# Altium PCB ANTS-PCU-B1.PCBDOC (part 3 of 3)
Units mm, origin at the board's own origin, x right, y up, seen from the top; angles counter-clockwise.
Board outline 195.05 x 85.05 mm, 2 copper layers (TopLayer, BottomLayer); 203 components, 155 nets, 881 pads, 326 vias.
Unrouted connection lines stored in the file: 2.
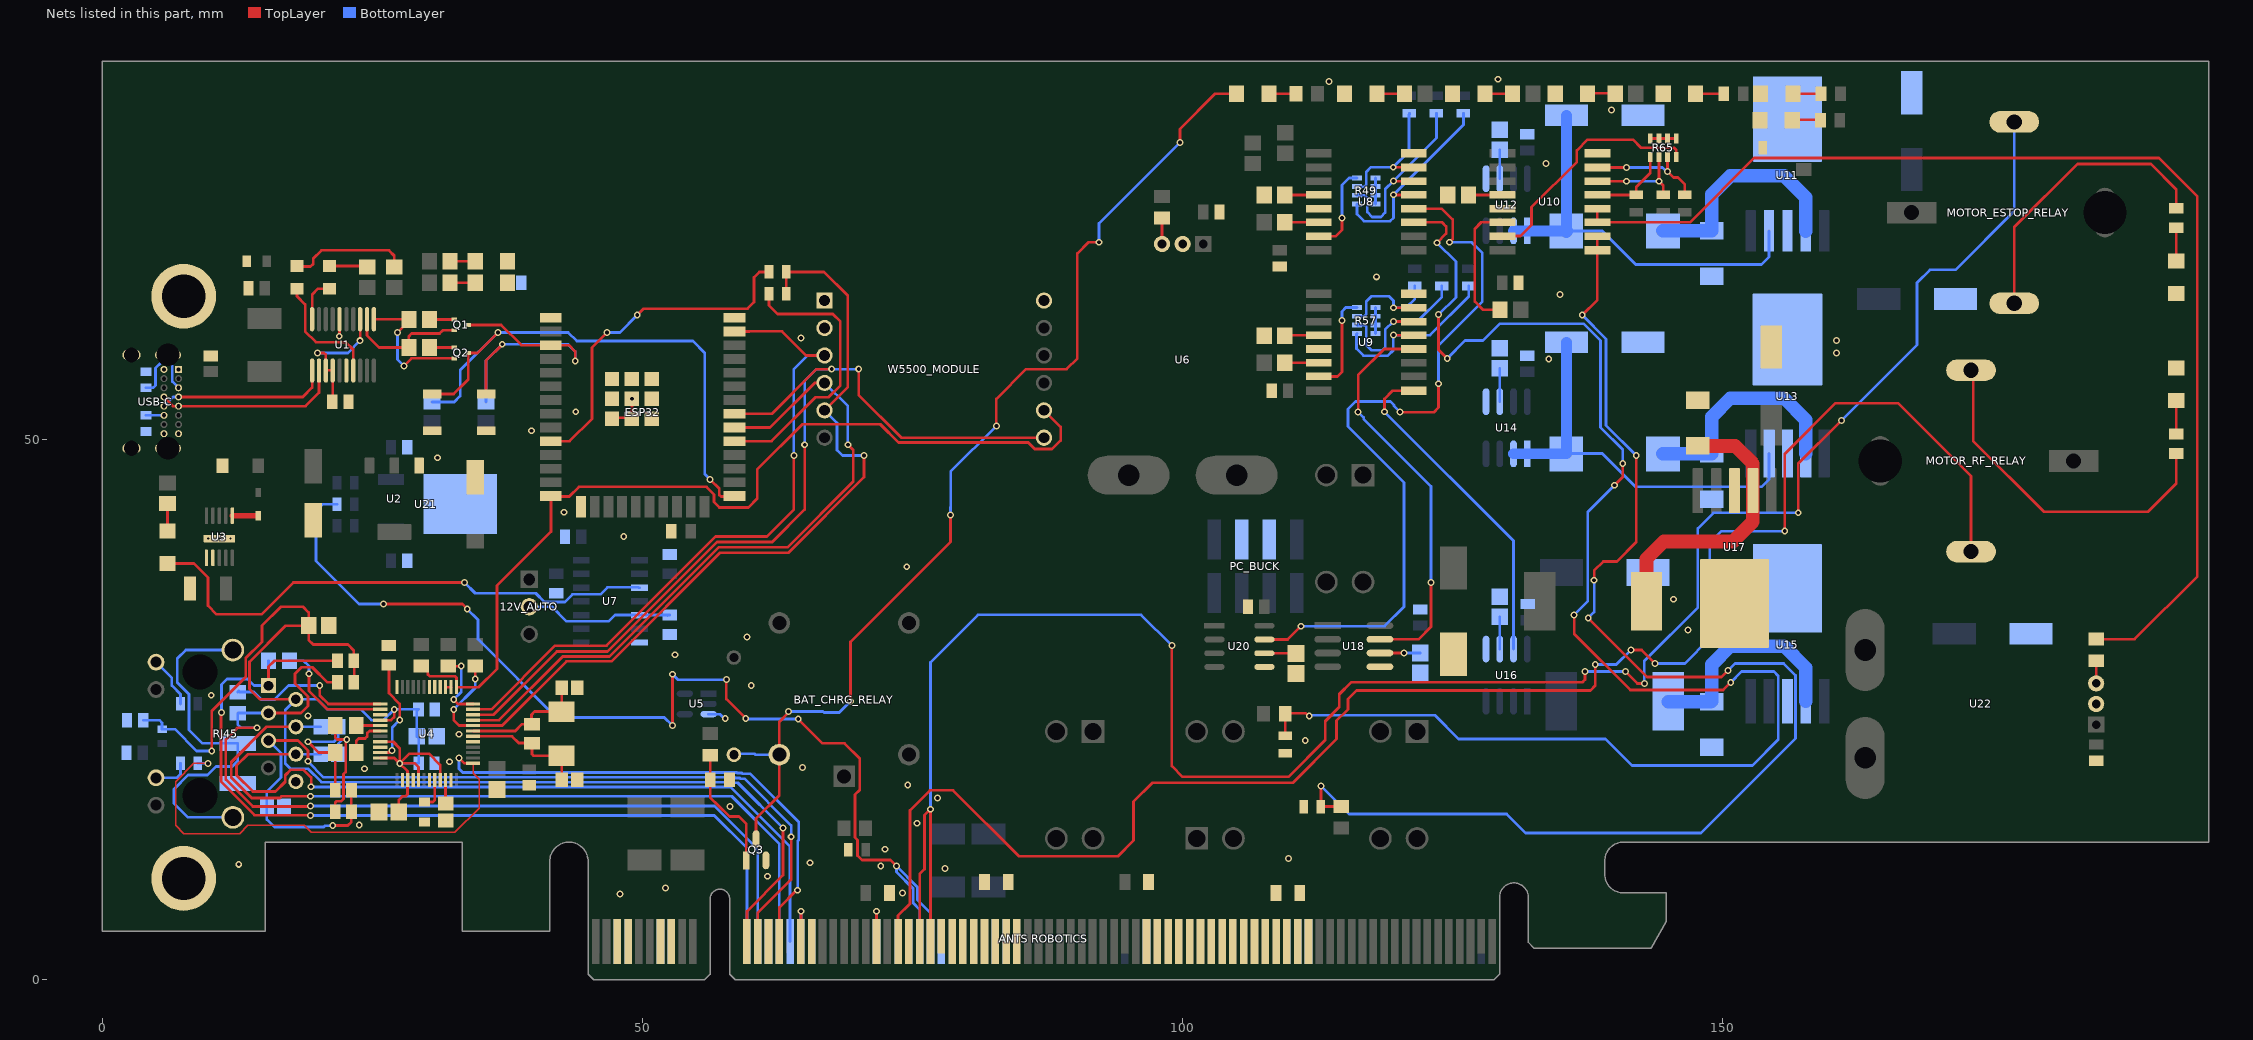
[diagram p3: the nets of this part, all layers, seen from the top]

## Via types
v1: diameter 0.635, hole 0.356, TopLayer to BottomLayer, 322 vias
v2: diameter 0.5, hole 0.2, TopLayer to BottomLayer, 3 vias
v3: diameter 1.27, hole 0.711, TopLayer to BottomLayer, 1 vias

## Nets (pads, with @x,y where several pads share a name; then routed paths per layer and width w, separated by ;. In a path a pad name is that pad's centre, name@x,y a point inside that pad or via, vN(x,y) a via of type N, cw(c..) or ccw(c..) an arc to the next point about the centre after c; other vN are vias at no path point) (continued)
ESTOP_12V: "ANTS ROBOTICS.A29" "ANTS ROBOTICS.A30" R82.2 | length 103
  TopLayer w0.254: v1(26,34.75) 33.3,34.75 v1(33.75,34.3) ; v1(52.75,23.5) v1(52.75,28.25) ; v1(57.75,27.75) 57.75,25.95 v1(59.55,24.15) ; v1(64.4,24.1) 66.65,21.85 68.7,21.85 70.1,20.45 70.1,17.55 69.65,17.1 69.65,13.15 69.9,12.9 69.9,11.45 70.3,11.05 72.95,11.05 v1(73.5,10.5)
  BottomLayer w0.254: R82.2@21.7,44 20.4,44 19.75,43.35 19.75,38.75 23.75,34.75 v1(26,34.75) ; v1(33.75,34.3) 34.75,33.3 34.75,31.5 42,24.25 52,24.25 v1(52.75,23.5) ; v1(52.75,28.25) 53.25,27.75 v1(57.75,27.75) ; v1(59.55,24.15) 59.6,24.1 v1(64.4,24.1) ; v1@73.5,10.478 75.45,8.528 75.45,7.35 76.65,6.15 76.65,3.5 ; v1(73.5,10.5) 73.5,9.94 75.05,8.39 75.05,7.05 75.65,6.45 75.65,3.5
ESTOP_IN: "ANTS ROBOTICS.B29" "ANTS ROBOTICS.B30" MOTOR_ESTOP_RELAY.85 | length 198
  TopLayer w0.254: 75.65,3.5 75.65,9.75 76.1,10.2 76.1,15.2 v1(76.65,15.75) 76.65,3.5 ; v1(99,30.9) 99,19.75 100,18.75 109.8,18.75 113.2,22.15 113.2,23.9 114.5,25.2 114.5,26.4 115.6,27.5 137,27.5 137.25,27.75 v1(137.25,28.5) ; v1(141,28.5) 142.1,27.4 v1(142.75,27.4) ; v1(157,43.2) 157,47.75 v1(161,51.75)
  BottomLayer w0.254: v1(76.65,15.75) 76.65,29.35 81.05,33.75 96.15,33.75 v1(99,30.9) ; v1(137.25,28.5) v1(141,28.5) ; v1(142.75,27.4) 142.75,29.5 147.7,34.45 147.7,41.75 149.15,43.2 v1(157,43.2) ; v1(161,51.75) 168,58.75 168,64.5 169.2,65.7 171.55,65.7 177,71.15 MOTOR_ESTOP_RELAY.85@177,79.4
EXTRA_GND: "ANTS ROBOTICS.B33" "ANTS ROBOTICS.B34" "ANTS ROBOTICS.B35" F3.1
GND: 3V3.1 3V3D.1 5V.1 5VD.1 12V_RTR.1 12V_SPKR.1 "ANTS ROBOTICS.A3" "ANTS ROBOTICS.A4" "ANTS ROBOTICS.A7" "ANTS ROBOTICS.A8" "ANTS ROBOTICS.A15" "ANTS ROBOTICS.A18" "ANTS ROBOTICS.A19" "ANTS ROBOTICS.A25" "ANTS ROBOTICS.A27" "ANTS ROBOTICS.A28" "ANTS ROBOTICS.A31" "ANTS ROBOTICS.A36" "ANTS ROBOTICS.A37" "ANTS ROBOTICS.A50" "ANTS ROBOTICS.A63" "ANTS ROBOTICS.A64" "ANTS ROBOTICS.A65" "ANTS ROBOTICS.B3" "ANTS ROBOTICS.B4" "ANTS ROBOTICS.B7" "ANTS ROBOTICS.B8" "ANTS ROBOTICS.B15" "ANTS ROBOTICS.B18" "ANTS ROBOTICS.B19" "ANTS ROBOTICS.B25" "ANTS ROBOTICS.B28" "ANTS ROBOTICS.B31" "ANTS ROBOTICS.B32" "ANTS ROBOTICS.B36" "ANTS ROBOTICS.B37" "ANTS ROBOTICS.B38" "ANTS ROBOTICS.B63" "ANTS ROBOTICS.B64" "ANTS ROBOTICS.B65" C1.2 C2.2 C3.2 C4.2 C5.2 C6.2 C7.2 C8.2 C9.2 C16.2 C17.2 C20.1 C21.1 C22.1 C23.2 C24.1 C25.2 C26.1 C27.2 C28.1 C29.1 C30.1 C31.2 C32.2 C35.2 C36.2 C37.2 C38.2 C39.2 C40.1 C41.1 C42.2 C43.2 C44.1 C45.1 C46.2 C47.2 C48.1 C49.2 C50.2 C51.2 C52.1 C53.2 C54.2 C55.2 C56.2 C57.2 C59.2 C60.2 C61.2 CHRG_DET.1 D4.2 D5.2 D6.2 D7.2 ESP32.1 ESP32.15 ESP32.38 ESP32.39 ESP32_BOOT.1 ESP32_RESET.1 ESTOP_OK.1 F2.2 F3.2 F4.2 F5.2 pad.9 PC_BUCK.3 PC_BUCK.5 PC_PWR.1 Q3.2 R30.1 R33.1 R35.1 R38.1 R40.1 R41.1 R42.1 R43.1 R47.2 R49.5 R49.6 R49.7 R49.8 R55.2 R57.5 R57.6 R57.7 R57.8 R63.2 R65.5 R65.6 R65.7 R65.8 R75.1 R80.1 RF_RELAY_ON.1 RJ45.8 Rusb1.1 Rusb2.1 U1.6 U1.16 U2.1 U3.1 U3.2 U3.11 U4.3 U4.9 U4.14 U4.16 U4.19 U4.23 U4.29 U4.38 U4.39 U4.40 U4.41 U4.42 U4.48 U5.3 U6.2 U7.7 U8.8 U8.13 U9.8 U9.13 U10.8 U10.13 U11.3 U11.6 U12.5 U13.3 U13.6 U14.5 U15.3 U15.6 U16.5 U17.3 U17.6 U18.5 U20.5 U21.4 U22.2 USB-C.1 USB-C.2 USB-C.3 USB-C.4 USB-C.A1 USB-C.A12 USB-C.B1 USB-C.B12 W5500_MODULE.1 W5500_MODULE.2 W5500_MODULE.12 | length 26.1
  TopLayer w0.254: v1(21.9,59.55) 21.916,59.566 21.916,61.109 U1.6@21.933,61.125 ; U4.39@31.75,27.05 U4.38@32.25,27.05 ; ESP32.39@47.165,51.925 47.325,51.925 47.4,52 48.925,52 ESP32.39@49,51.925 v1(49,53.76) ; 64.65,3.5 v1(64.65,6.3) ; 71.65,3.5 v1(71.65,6.3) ; R65.8@143.3,77.85 R65.7@144.1,77.85 R65.6@144.9,77.85 145.602,77.85 R65.5@145.7,77.752 ; R65.5@145.7,77.723 R65.5@145.7,77.752 ; R65.5@145.7,77.85 R65.5@145.7,77.752
  BottomLayer w0.254: U5.3@56.1,24.55 57.147,24.55 57.523,24.174 57.523,24.15 v1(57.65,24.15) ; 64.65,3.5 v1(64.65,6.3) ; 71.65,3.5 v1(71.65,6.3) ; R57.8@117.85,59.8 R57.7@117.85,60.6 R57.6@117.85,61.4 R57.5@117.85,62.2 ; R49.8@117.85,71.8 R49.7@117.85,72.6 R49.6@117.85,73.4 R49.5@117.85,74.2
  other v1: 47.9,7.9 74.05,8 52.1,8.45 61.55,9.55 78,10.25 72.05,10.5 12.6,10.65 65.5,10.8 109.8,11.2 72.45,12.05 23.75,14.3 75.4,14.45 58.1,16 77.3,16.8 74.55,18 24.25,19.5 64.8,19.6 32.1,20.15 111.35,22.1 33,22.7 19,24.4 10.05,26.3 60.05,27.2 53,30.05 59.65,31.7 146.8,32.35 145.45,35.2 74.45,38.2 48.25,41 42.7,43.25 31,48.3 39.7,50.8 43.8,52.55 133.9,57.45 160.55,58 160.55,59.15 64.65,59.4 134.95,63.4 117.95,65.05 133.65,75.55 139.7,80.5 113.55,83.15 129.2,83.35
  other v2: 9.77,40.805 10.8,40.805 11.83,40.805
GND_ETH: C16.1 RJ45.S1 RJ45.S2 | length 33.6
  BottomLayer w0.254: RJ45.S2@12.05,15.005 7.895,15.005 6.6,16.3 6.6,17.6 7.914,18.914 9.714,18.914 10.5,19.7 12,19.7 12.5,20.2 C16.1@12.5,21.85 9.25,21.85 8,23.1 8,26.4 6.9,27.5 6.9,29.7 7.695,30.495 11.695,30.495 11.8,30.6 11.905,30.495 RJ45.S1@12.05,30.495
GPIO0: ESP32.25 ESP32_BOOT.2 Q2.3 R13.1 | length 55.3
  TopLayer w0.254: ESP32_BOOT.2@30.5,54.2 31,54.2 31.1,54.1 31.2,54.2 32.5,54.2 33.848,55.548 Q2.3@33.848,58 34.7,58 v1(36.6,59.9) ; v1(56.248,46.277) 57.1,45.425 57.1,44.849 57.249,44.7 58.45,44.7 ESP32.25@58.5,44.75
  BottomLayer w0.254: R13.1@30.5,53.45 32.55,53.45 33.1,54 33.1,56.4 v1(36.6,59.9) 43.1,59.9 43.9,59.1 54.65,59.1 55.75,58 55.75,46.775 v1(56.248,46.277)
"GPIO5 / VSPI_CS": CS5.1 ESP32.29 | length 26.4
  TopLayer w0.254: ESP32.29@58.5,49.83 61.93,49.83 66,53.9 67.2,53.9 68.3,55 68.3,60.9 67.6,61.6 62.5,61.6 61.7,62.4 61.7,63.6 CS5.1@61.7,63.5
"GPIO25 / DAC1 / ADC2_CH8": CS25.1 ESP32.10 | length 31.9
  TopLayer w0.254: ESP32.10@41.5,49.83 43.23,49.83 45.3,51.9 45.3,58.5 v1(46.7,59.9) ; v1(49.5,61.5) 50.1,62.1 59.7,62.1 60.3,62.7 60.3,65 60.8,65.5 CS25.1@61.7,65.5
  BottomLayer w0.254: v1(46.7,59.9) 47.9,59.9 v1(49.5,61.5)
INTn: R27.1 U4.36 | length 6.6
  TopLayer w0.254: R27.1@32,29 v1(33.2,29) ; v1(32.5,25.9) 32.9,25.5 U4.36@34.3,25.5
  BottomLayer w0.254: v1(32.5,25.9) 33.2,26.6 v1(33.2,29)
LINK_LED: "ANTS ROBOTICS.B16" R16.2 U4.25 | length 90.4
  TopLayer w0.127: v1(9.75,20) 8.45,20 6.75,18.3 6.75,14.25 7.5,13.5 12.7,13.5 13.45,14.25 18.65,14.25 19.3,13.6 32.6,13.6 34.85,15.85 34.85,18.55 34.3,19.1 U4.25@34.3,20
  TopLayer w0.254: v1(33,20.5) 33.5,20 U4.25@34.3,20 ; 62.65,3.95 62.65,6.65 64.25,8.25 v1(64.348,8.25)
  BottomLayer w0.254: R16.2@8.8,20 v1(9.75,20) ; v1(33,20.5) 33,19.5 33.338,19.162 58.714,19.162 58.768,19.108 59.176,19.108 59.238,19.046 59.954,19.046 64.448,14.552 64.448,12.911 64.348,12.81 64.348,8.251 v1(64.348,8.25)
MOTOR_AMP_MONITOR: R84.2 U10.3 U10.4 | length 107.7
  TopLayer w0.254: U10.4@138.4,71.365 U10.3@138.4,70.095 146.965,70.095 152.92,76.05 190.4,76.05 193.95,72.5 193.95,37.3 188.15,31.5 R84.2@184.6,31.5
MOTOR_VOLT_MONITOR: R79.1 R80.2 U10.1 U10.2 | length 122.1
  TopLayer w0.254: v1(112.8,17.9) R80.2@112.8,16 R79.1@114.7,16 ; v1(137,61.5) 138.4,62.9 U10.1@138.4,67.505 U10.2@138.4,68.825 ; v1(137.55,33.45) 143,28 149.9,28 v1(150.5,28.6) ; v1(138.1,36.95) 138.1,37.85 138.95,38.7 140.2,38.7 142,40.5 v1(142,48.5)
  BottomLayer w0.254: v1(112.8,17.9) 115.4,15.3 130,15.3 131.75,13.55 148,13.55 156.75,22.3 156.75,28.15 155.65,29.25 151.15,29.25 v1(150.5,28.6) ; v1(137,61.5) 139.2,59.3 139.2,51.3 v1(142,48.5) ; v1(137.55,33.45) 138.1,34 v1(138.1,36.95)
Net3V3_2: 3V3.2 R8.1 | length 2.3
  TopLayer w0.254: R8.1@32.15,64.5 3V3.2@34.5,64.5
Net3V3D_2: 3V3D.2 R68.1 | length 2.6
  TopLayer w0.254: 3V3D.2@137.5,82 137.55,82.05 140,82.05 R68.1@140.05,82
Net5V_2: 5V.2 R9.1 | length 2.3
  TopLayer w0.254: R9.1@32.15,66.5 5V.2@34.5,66.5
Net5VD_2: 5VD.2 R69.1 | length 2.6
  TopLayer w0.254: 5VD.2@128,82 R69.1@130.55,82
Net12V_AUTO_2: 12V_AUTO.2 R42.2 U7.5 | length 13.8
  BottomLayer w0.254: 12V_AUTO.2@39.5,34.5 41.6,34.5 42.95,33.15 46.85,33.15 47.43,33.73 U7.5@49.7,33.73 52.27,33.73 52.3,33.7 52.33,33.73 R42.2@52.5,33.73
Net12V_RTR_2: 12V_RTR.2 R71.1 | length 2.6
  TopLayer w0.254: 12V_RTR.2@156.5,82 R71.1@159.1,82
Net12V_SPKR_2: 12V_SPKR.2 R70.1 | length 2.6
  TopLayer w0.254: 12V_SPKR.2@147.5,82 R70.1@150.1,82
NetADC1-A0_2: ADC1-A0.2 R49.1 U8.5 | length 19
  TopLayer w0.254: v1@119.525,72.635 U8.5@121.4,72.635
  BottomLayer w0.254: R49.1@116.15,71.8 116.15,70.85 116.8,70.2 119.2,70.2 119.512,70.512 v1(119.512,72.648) 126,79.135 ADC1-A0.2@126,80.2
NetADC1-A1_2: ADC1-A1.2 R49.2 U8.6 | length 17.4
  TopLayer w0.254: v1@119.525,73.905 U8.6@121.4,73.905
  BottomLayer w0.254: R49.2@116.15,72.6 116.85,72.6 117.1,72.35 117.1,71.05 117.55,70.6 118.35,70.6 118.75,71 118.75,73.155 v1(119.512,73.918) 123.5,77.905 ADC1-A1.2@123.5,80.2
NetADC1-A2_2: ADC1-A2.2 R49.3 U8.7 | length 12.3
  TopLayer w0.254: v1(119.5,75.2) 119.512,75.188 121.387,75.188 U8.7@121.4,75.175
  BottomLayer w0.254: R49.3@116.15,73.4 116.2,73.4 116.851,73.4 117,73.549 117,74.75 117.45,75.2 v1(119.5,75.2) 120.95,76.65 120.95,80.05 121,80.1 ADC1-A2.2@121,80.2
NetADC2-A0_2: ADC2-A0.2 R57.1 U9.5 | length 18
  TopLayer w0.254: v1@119.525,59.635 U9.5@121.4,59.635
  BottomLayer w0.254: R57.1@116.15,59.8 116.1,59.75 116.1,58.4 116.75,57.75 119,57.75 119.5,58.25 119.5,59.635 v1(119.512,59.647) 122.897,59.647 126.5,63.25 ADC2-A0.2@126.5,64.2
NetADC2-A1_2: ADC2-A1.2 R57.2 U9.6 | length 15.8
  TopLayer w0.254: v1@119.525,60.905 U9.6@121.4,60.905
  BottomLayer w0.254: R57.2@116.15,60.6 116.2,60.55 116.25,60.6 116.85,60.6 117,60.45 117,58.75 117.5,58.25 118.5,58.25 118.75,58.5 118.75,60.155 v1(119.512,60.917) 121.717,60.917 124,63.2 ADC2-A1.2@124,64.2
NetADC2-A2_2: ADC2-A2.2 R57.3 U9.7 | length 11.1
  TopLayer w0.254: v1@119.525,62.175 U9.7@121.4,62.175
  BottomLayer w0.254: R57.3@116.15,61.4 116.851,61.4 117,61.549 117,62.75 117.5,63.25 119.1,63.25 119.512,62.838 v1(119.512,62.187) 120.687,62.187 121.5,63 ADC2-A2.2@121.5,64.2
NetADC3-A0_2: ADC3-A0.2 R65.1 U10.5 | length 7.7
  TopLayer w0.254: U10.5@138.4,72.635 ADC3-A0.2@142,72.635 142,73.35 143.3,74.65 R65.1@143.3,76.15
NetADC3-A1_2: ADC3-A1.2 R65.2 U10.6 | length 9.4
  TopLayer w0.254: U10.6@138.4,73.905 v1(141.105,73.905) ; R65.2@144.1,76.15 144.1,73.905 144.5,73.505 ADC3-A1.2@144.5,72.635
  BottomLayer w0.254: v1(141.105,73.905) 141.155,73.905 141.2,73.95 141.245,73.905 v1(144.095,73.905)
NetADC3-A2_2: ADC3-A2.2 R65.3 U10.7 | length 11.1
  TopLayer w0.254: U10.7@138.4,75.175 v1(141.105,75.175) ; R65.3@144.9,76.15 v1(144.9,74.8) 145.45,74.25 145.85,74.25 146.5,73.6 ADC3-A2.2@146.5,72.635
  BottomLayer w0.254: v1(141.105,75.175) 141.125,75.175 141.15,75.15 141.175,75.175 144.422,75.175 144.797,74.8 v1(144.9,74.8)
NetBAT_CHRG_RELAY_5: BAT_CHRG_RELAY.5 CHARGING.1 D3.1 Q3.3 | length 98.6
  TopLayer w0.254: Q3.3@60.5,12.977 60.5,14.9 62.65,17.05 BAT_CHRG_RELAY.5@62.65,20.8 62.65,23.85 63.5,24.7 v1(63.5,24.799) ; v1(69.25,25.75) 69.25,31.25 78.5,40.5 v1(78.5,43) ; v1(82.75,51.25) 82.75,53.75 85.5,56.5 89.25,56.5 90.25,57.5 90.25,67.211 91.289,68.25 v1(92.25,68.25) ; v1(99.75,77.5) 99.75,78.739 103.011,82 CHARGING.1@105,82
  BottomLayer w0.254: D3.1@58.45,20.8 58.547,20.897 60.351,20.897 60.448,20.8 BAT_CHRG_RELAY.5@62.65,20.8 ; v1(63.5,24.799) 66.689,24.799 66.788,24.7 68.2,24.7 v1(69.25,25.75) ; v1(78.5,43) 78.5,43.741 78.52,43.761 78.52,47.02 v1(82.75,51.25) ; v1(92.25,68.25) 92.25,70 v1(99.75,77.5)
NetC4_1: C4.1 U1.3 U1.13 U1.14 | length 12.2
  TopLayer w0.254: v1(19.9,58) 20.5,58 20.663,57.837 U1.13@20.663,56.375 20.687,56.4 21.273,56.4 U1.14@21.298,56.375 21.298,53.548 C4.1@21.25,53.5 ; v1(23.838,59.137) U1.3@23.838,61.125
  BottomLayer w0.254: v1(19.9,58) 22.7,58 v1(23.838,59.137)
NetC18_2: C18.2 R20.2 R25.1 | length 10.5
  TopLayer w0.254: v1(19,22) 20,21 R25.1@21.525,21 R20.2@21.525,17.5
  BottomLayer w0.254: v1(19,22) 19,22.1 19.1,22 21.4,22 21.8,22.4 21.8,23.36 C18.2@21.825,23.385
NetC19_2: C19.2 R21.2 R24.1 | length 11.5
  TopLayer w0.254: R21.2@21.525,15.5 21.525,16.351 21.674,16.5 22.1,16.5 22.3,16.7 22.3,19 22.5,19.2 v1@22.5,22.2 ; R24.1@21.525,23.5 21.525,22.375 21.7,22.2 v1@22.5,22.2 ; v1(22.6,22.2) v1@22.5,22.2
  BottomLayer w0.254: C19.2@21.825,20.845 21.825,21.825 22.2,22.2 v1(22.6,22.2)
NetC25_1: C25.1 U4.20 | length 2.9
  TopLayer w0.254: C25.1@29.8,16.425 30.575,16.425 30.75,16.6 U4.20@30.75,18.45
NetC26_2: C26.2 U4.22 | length 2.2
  TopLayer w0.254: C26.2@31.75,16.3 U4.22@31.75,18.45
NetC41_2: C41.2 L3.2 U11.4 U12.1 U12.2 | length 38.3
  BottomLayer w0.254: L3.2@135.529,69.3 138.85,69.3 141.95,66.2 153.6,66.2 154.3,66.9 U11.4@154.3,69.3
  BottomLayer w1: U12.2@130.635,69.3 131.905,69.3 L3.2@135.529,69.3 C41.2@135.53,80
NetC43_1: C43.1 U12.6 | length 2.7
  BottomLayer w0.254: C43.1@129.35,76.825 129.365,76.81 U12.6@129.365,74.142
NetC45_2: C45.2 L4.1 U13.4 U14.1 U14.2 | length 38
  BottomLayer w0.254: L4.1@135.529,48.7 138.85,48.7 141.95,45.6 153.6,45.6 154.3,46.3 U13.4@154.3,48.7
  BottomLayer w1: U14.2@130.635,48.66 U14.1@131.905,48.66 L4.1@135.529,48.66 C45.2@135.53,59
NetC47_1: C47.1 U14.6 | length 3.1
  BottomLayer w0.254: C47.1@129.35,56.575 129.365,56.56 U14.6@129.365,53.492
NetC51_1: C51.1 U16.6 | length 3
  BottomLayer w0.254: U16.6@129.365,30.582 C51.1@129.365,33.575
NetC55_1: C55.1 U18.6 | length 3.8
  TopLayer w0.254: U18.6@118.266,30.215 v1(120.505,30.215)
  BottomLayer w0.254: v1(120.505,30.215) 121.985,30.215 122,30.2 C55.1@122,30.215
NetC57_1: C57.1 U20.6 | length 2.9
  TopLayer w0.254: U20.6@107.566,30.2 110.475,30.2 C57.1@110.5,30.175
NetCHARGING_2: CHARGING.2 R31.2 | length 2.5
  TopLayer w0.254: CHARGING.2@108,82 R31.2@110.5,82
NetCHRG_DET_2: CHRG_DET.2 R36.1 | length 2.6
  TopLayer w0.254: CHRG_DET.2@118,82 118.05,82.05 118.1,82 R36.1@120.55,82
NetD2_2: D2.2 U3.6 | length 2.4
  TopLayer w0.508: U3.6@12,42.93 D2.2@14.4,42.93
NetD4_1: D4.1 L3.1 U11.2 | length 21.3
  BottomLayer w1.27: L3.1@144.47,69.31 D4.1@149,69.31 149,72.7 150.7,74.4 155.7,74.4 157.7,72.4 U11.2@157.7,69.3
NetD5_1: D5.1 L4.2 U13.2 | length 21.3
  BottomLayer w1.27: L4.2@144.47,48.66 D5.1@149,48.66 ; D5.1@149,48.71 149,52.1 150.7,53.8 155.7,53.8 157.7,51.8 U13.2@157.7,48.7
NetD6_1: D6.1 L5.2 U15.2 | length 20.7
  BottomLayer w1.27: L5.2@144.95,25.7 D6.1@148.9,25.7 ; D6.1@149,25.76 149,29.15 150.7,30.85 155.7,30.85 157.7,28.85 U15.2@157.7,25.75
NetD7_1: D7.1 L6.2 U17.2 | length 26.4
  TopLayer w1.27: L6.2@142.95,35 142.95,38.95 144.55,40.55 150.95,40.55 152.8,42.4 U17.2@152.8,45.25 152.8,47.75 151.16,49.39 D7.1@147.7,49.39
NetESP32-RX_2: ESP32-RX.2 R4.2 | length 11.2
  TopLayer w0.254: ESP32-RX.2@18,66.05 18.2,66.05 18.25,66 19.25,66 19.5,66.25 19.5,66.75 20.25,67.5 26.5,67.5 27,67 R4.2@27,65.95
NetESP32-TX_2: ESP32-TX.2 R3.2 | length 3.5
  TopLayer w0.254: ESP32-TX.2@21,66.05 24.4,66.05 R3.2@24.5,65.95
NetESTOP_OK_2: ESTOP_OK.2 R77.1 | length 3
  TopLayer w0.254: ESTOP_OK.2@192,66.6 R77.1@192,69.6
NetMOTOR_ESTOP_RELAY_86: MOTOR_ESTOP_RELAY.86 R77.2 | length 27.2
  TopLayer w0.254: MOTOR_ESTOP_RELAY.86@177,62.6 177,62.95 177,69.65 182.85,75.5 189.65,75.5 192,73.15 R77.2@192,71.4
NetMOTOR_RF_RELAY_86: MOTOR_RF_RELAY.86 R78.2 | length 32.2
  TopLayer w0.254: MOTOR_RF_RELAY.86@173,56.4 173.15,56.4 173.2,56.45 173.2,49.85 179.75,43.3 189.4,43.3 192,45.9 R78.2@192,48.7
NetPC_PWR_2: PC_PWR.2 R76.2 | length 2.6
  TopLayer w0.254: PC_PWR.2@156.45,79.55 156.5,79.6 158.95,79.6 159,79.55 R76.2@159.05,79.55
NetQ1_1: Q1.1 R1.1 | length 2.3
  TopLayer w0.254: R1.1@30.25,61.1 Q1.1@32.553,61.1
NetQ2_1: Q2.1 R2.1 | length 2.3
  TopLayer w0.254: R2.1@30.25,58.5 Q2.1@32.553,58.5
NetQ3_1: Q3.1 R32.2 R33.2 | length 11.5
  TopLayer w0.254: R32.2@56.25,20.65 R33.2@56.25,18.5 56.25,16.85 57,16.1 58.029,15.071 58.929,15.071 59.585,14.415 Q3.1@59.585,11.023
NetR16_1: R16.1 RJ45.11 | length 3.4
  BottomLayer w0.254: RJ45.11@4.94,18.665 6.865,18.665 7.2,19 R16.1@7.2,20
NetR17_1: R17.1 RJ45.9 | length 4.8
  BottomLayer w0.254: RJ45.9@4.94,29.375 6.4,27.915 6.4,27.2 7.2,26.4 R17.1@7.2,25.5
NetR22_2: R22.2 U4.1 | length 15.4
  TopLayer w0.254: v1(20.1,27.2) 20.1,26.3 20.896,25.504 U4.1@25.7,25.504
  BottomLayer w0.254: R22.2@12.5,26.575 12.5,26.6 12.6,26.7 12.7,26.6 14,26.6 14.7,25.9 15.9,25.9 17.2,27.2 v1(20.1,27.2)
NetR23_2: R23.2 U4.2 | length 11.6
  TopLayer w0.254: v1(19.1,28.3) 19.1,26.7 20.8,25 U4.2@25.7,25
  BottomLayer w0.254: R23.2@17.3,29.5 18.6,29.5 19.1,29 v1(19.1,28.3)
NetR24_2: R24.2 U4.5 | length 1.9
  TopLayer w0.254: R24.2@23.775,23.5 24.7,23.5 U4.5@25.7,23.5
NetR25_2: R25.2 U4.6 | length 3.9
  TopLayer w0.254: R25.2@23.475,21 23.475,22.075 23.7,22.3 24.3,22.3 24.5,22.5 24.5,22.8 24.7,23 U4.6@25.7,23
NetR30_2: R30.2 U4.10 | length 9.8
  TopLayer w0.254: U4.10@25.7,21 26.6,21 v1(26.8,21.2) ; R30.2@26.5,29.1 26.5,26.5 27.5,25.5 v1(27.5,24)
  BottomLayer w0.254: v1(26.8,21.2) 26.8,23.3 v1(27.5,24)
NetR39_1: R39.1 U6.3 | length 2.4
  TopLayer w0.254: U6.3@98.09,68.09 R39.1@98.09,70.5
NetR46_1: R46.1 U8.14 | length 3.2
  TopLayer w0.254: R46.1@109.45,70.1 109.455,70.095 112.495,70.095 112.55,70.15 112.6,70.1 U8.14@112.6,70.095
NetR47_1: R47.1 U8.12 | length 3.2
  TopLayer w0.254: R47.1@109.45,72.635 U8.12@112.6,72.635
NetR49_4: R49.4 U8.15 | length 8.2
  TopLayer w0.254: U8.15@112.6,68.825 112.625,68.8 114.15,68.8 114.75,69.4 v1(114.75,70.5)
  BottomLayer w0.254: v1(114.75,70.5) 114.75,73.55 115.4,74.2 R49.4@116.15,74.2
NetR54_1: R54.1 U9.14 | length 3.2
  TopLayer w0.254: R54.1@109.45,57.1 109.455,57.095 U9.14@112.6,57.095
NetR55_1: R55.1 U9.12 | length 3.2
  TopLayer w0.254: R55.1@109.45,59.6 109.485,59.635 111.665,59.635 111.7,59.6 111.735,59.635 U9.12@112.6,59.635
NetR57_4: R57.4 U9.15 | length 9.5
  TopLayer w0.254: U9.15@112.6,55.825 114.325,55.825 114.75,56.25 v1(114.75,61)
  BottomLayer w0.254: v1(114.75,61) 114.75,61.85 115.1,62.2 R57.4@116.15,62.2
NetR62_1: R62.1 U10.14 | length 12.2
  TopLayer w0.254: R62.1@129.4,62 127.8,62 127.05,62.75 127.05,69.5 127.65,70.1 129.25,70.1 129.255,70.095 U10.14@129.6,70.095
NetR63_1: R63.1 U10.12 | length 3.2
  TopLayer w0.254: R63.1@126.45,72.635 U10.12@129.6,72.635
NetR65_4: R65.4 U10.15 | length 22.4
  TopLayer w0.254: U10.15@129.6,68.825 131.275,68.825 132.3,69.85 132.3,71.5 136.5,75.7 136.5,76.75 137.5,77.75 141.7,77.75 142.45,77 145.5,77 145.7,76.8 R65.4@145.7,76.15
NetR78_1: R78.1 RF_RELAY_ON.2 | length 3.1
  TopLayer w0.254: R78.1@192,50.5 RF_RELAY_ON.2@192,53.6
NetR84_1: R84.1 U22.3 | length 2.1
  TopLayer w0.254: U22.3@184.59,27.41 184.59,29.49 R84.1@184.6,29.5
NetR85_2: R85.2 SYS_GOOD.2 | length 2.6
  TopLayer w0.254: SYS_GOOD.2@6,41.5 R85.2@6,44.05
NetRusb1_2: Rusb1.2 USB-C.A5 | length 6.8
  BottomLayer w0.254: Rusb1.2@4,54.775 4.675,54.775 4.9,55 4.9,56.6 5.394,57.094 6.156,57.094 6.446,56.804 6.446,55.354 7,54.8 7,54.75 USB-C.A5@7.025,54.775
NetRusb2_2: Rusb2.2 USB-C.B5 | length 1.7
  BottomLayer w0.254: Rusb2.2@4,52.225 USB-C.B5@5.675,52.225 USB-C.B5@5.725,52.225
NetSYS_GOOD_1: SYS_GOOD.1 U7.3 | length 49.7
  TopLayer w0.254: SYS_GOOD.1@6,38.5 8.45,38.5 9.75,37.2 9.75,34.6 10.55,33.8 14.7,33.8 17.65,36.75 v1(33.5,36.75)
  BottomLayer w0.254: v1(33.5,36.75) 34.5,35.75 40.1,35.75 40.9,34.95 42.8,34.95 43.5,35.65 46.1,35.65 46.75,36.3 49.6,36.3 49.63,36.27 U7.3@49.7,36.27
PC_AMP_MONITOR: U8.4 U20.7 | length 69.7
  TopLayer w0.254: U20.7@107.566,31.47 109.72,31.47 v1(110.95,32.7) ; v1(120.123,52.549) 120.17,52.502 123.252,52.502 123.7,52.95 v1(123.7,55.15) ; U8.4@121.4,71.365 123.985,71.365 125,70.35 125,68.55 v1(124.7,68.25)
  BottomLayer w0.254: v1(110.95,32.7) 110.95,32.65 111,32.7 118.7,32.7 120.5,34.5 120.5,46 115.3,51.2 115.3,52.8 116,53.5 119.25,53.5 119.579,53.171 119.579,53.088 120.118,52.549 v1(120.123,52.549) ; v1(123.7,55.15) 123.7,58.7 127.75,62.75 127.75,67.25 126.75,68.25 v1(124.7,68.25)
PC_GND: "ANTS ROBOTICS.B50" "ANTS ROBOTICS.B51" "ANTS ROBOTICS.B52" "ANTS ROBOTICS.B53" "ANTS ROBOTICS.B54" "ANTS ROBOTICS.B55" "ANTS ROBOTICS.B56" "ANTS ROBOTICS.B57" "ANTS ROBOTICS.B58" "ANTS ROBOTICS.B59" "ANTS ROBOTICS.B60" "ANTS ROBOTICS.B61" "ANTS ROBOTICS.B62" F5.1
PC_VOLT_MONITOR: R74.1 R75.2 U8.3 | length 142.3
  TopLayer w0.254: R75.2@109.5,22.55 R74.1@109.5,24.6 109.55,24.65 111.368,24.65 111.62,24.398 v1(111.723,24.398) ; U8.3@121.4,70.095 121.645,70.095 121.75,70.2 121.85,70.1 124,70.1 124.4,69.7 124.4,69.05 v1(123.55,68.2) ; v1@123.75,61.6 v1(123.7,61.55) 123.7,58.3 v1(124.5,57.5) ; v1(136.25,33.75) 136.25,32 141.45,26.8 150.05,26.8 150.626,27.376 150.724,27.376 150.75,27.35 v1(150.75,27.5) ; v1(140,45.75) 140.75,46.5 v1(140.75,47.75)
  BottomLayer w0.254: v1(111.723,24.398) 111.775,24.45 123.35,24.45 125.55,22.25 139.15,22.25 141.6,19.8 152.75,19.8 155.15,22.2 155.15,28.1 154.75,28.5 151.75,28.5 v1(150.75,27.5) ; v1(123.55,68.2) 125.3,66.45 125.3,63.15 v1(123.7,61.55) ; v1(124.5,57.5) 126.15,59.15 127.8,59.15 129.35,60.7 137.15,60.7 138.7,59.15 138.7,51.1 140.75,49.05 v1(140.75,47.75) ; v1(136.25,33.75) 137.5,35 137.5,43.25 v1(140,45.75)
RCT: "ANTS ROBOTICS.B14" C20.2 R20.1 R21.1 RJ45.6 | length 83.9
  TopLayer w0.254: RJ45.6@15.35,22.115 18.085,22.115 19,21.2 v1(19,20.2) ; v1(21.3,14.235) 22.69,14.235 23.025,14.57 R21.1@23.025,15.5 R20.1@23.025,17.5 ; 60.65,3.5 60.65,6.15 63.75,9.25 v1(63.75,13.2)
  BottomLayer w0.254: RJ45.6@15.35,22.115 16.5,20.965 16.5,18.7 15.2,17.4 15.2,16.1 C20.2@15.2,16 15.2,14.8 15.9,14.1 20.474,14.1 20.602,14.227 21.292,14.227 v1(21.3,14.235) ; v1(19,20.2) 19,20.158 20.45,18.708 58.526,18.708 58.58,18.654 58.988,18.654 59.061,18.581 59.419,18.581 63.75,14.25 v1(63.75,13.2)
RD+: "ANTS ROBOTICS.A16" C18.1 RJ45.5 | length 73.5
  TopLayer w0.254: RJ45.5@17.89,23.385 17.615,23.385 17.6,23.4 17.585,23.385 15.185,23.385 11.9,20.1 11.9,18.7 13.8,16.8 16.398,16.8 16.548,16.95 v1(19.25,16.95)
  BottomLayer w0.254: RJ45.5@17.89,23.385 C18.1@20.175,23.385 ; v1(19.25,16.95) 58.25,16.95 62.65,12.55 62.65,3.5
RD-: "ANTS ROBOTICS.A17" C19.1 RJ45.7 | length 74.4
  TopLayer w0.254: RJ45.7@17.89,20.845 13.445,20.845 12.4,19.8 12.4,18.9 13.9,17.4 16,17.4 16.9,18.3 16.9,18.9 17.4,19.4 18.6,19.4 19.3,18.7 19.3,17.84 v1(19.302,17.837)
  BottomLayer w0.254: RJ45.7@17.89,20.845 C19.1@20.175,20.845 ; v1(19.302,17.837) 19.34,17.8 58.15,17.8 63.65,12.3 63.65,3.5
RESET: ESP32.3 ESP32_RESET.2 Q1.3 R12.1 | length 30.9
  TopLayer w0.254: Q1.3@33.848,60.6 36.9,60.6 38.78,58.72 ESP32.3@41.5,58.72 43.18,58.72 43.75,58.15 v1(43.75,57.25) ; ESP32_RESET.2@35.5,54.2 35.5,57.3 v1(37,58.8)
  BottomLayer w0.254: R12.1@35.5,53.45 35.5,57.3 v1(37,58.8) 43.1,58.8 43.75,58.15 v1(43.75,57.25)
RF_RELAY_IN: "ANTS ROBOTICS.B27" MOTOR_RF_RELAY.85 | length 156.6
  TopLayer w0.254: 73.65,3.5 73.65,5.9 74.75,7 74.75,15.65 76.6,17.5 78.75,17.5 84.85,11.4 94,11.4 95.45,12.85 95.45,16.45 97.2,18.2 110.2,18.2 114.25,22.25 114.25,23.95 115.3,25 115.3,25.95 116.1,26.75 137.75,26.75 138.2,27.2 v1(138.2,29.15) ; v1(141.5,30.5) 142.5,30.5 143.7,29.3 143.7,29.2 v1(143.75,29.25) ; v1(155.75,41.5) 155.75,48.65 160.45,53.35 166.25,53.35 173,46.6 MOTOR_RF_RELAY.85@173,39.6
  BottomLayer w0.254: v1(138.2,29.15) 140.15,29.15 v1(141.5,30.5) ; v1(143.75,29.25) 146.5,29.25 148.8,31.55 148.8,40.4 149.9,41.5 v1(155.75,41.5)
ROUTER_AMP_MONITOR: U9.4 U18.7 | length 37.5
  TopLayer w0.254: v1(116.25,52.549) 116.25,55.95 118.665,58.365 U9.4@121.4,58.365 ; U18.7@118.266,31.485 121.835,31.485 123,32.65 v1(123,36.75)
  BottomLayer w0.254: v1(116.25,52.549) 116.759,52.039 116.759,51.891 123,45.65 v1(123,36.75)
RX-LED: ESP32-RX.1 U1.17 | length 11.3
  TopLayer w0.254: ESP32-RX.1@18,63.95 18,63.25 18.75,62.5 18.75,60 19.75,59 22.5,59 23.203,58.297 U1.17@23.203,56.375
SPEAKER_AMP_MONITOR: U9.1 U16.7 | length 31.1
  TopLayer w0.254: v1(118.7,52.55) 118.7,53.75 119.455,54.505 U9.1@121.4,54.505
  BottomLayer w0.254: v1(118.7,52.55) 130.635,40.615 U16.7@130.635,30.582
TCT: "ANTS ROBOTICS.B13" C17.1 C21.2 C22.2 C23.1 C24.2 C32.1 L1.2 R18.2 R19.2 RJ45.2 U4.4 U4.8 U4.11 U4.15 U4.17 U4.21 | length 159.1
  TopLayer w0.254: v1(10.1,21.15) 10.1,24.85 13.25,28 13.25,29.75 14.75,31.25 14.75,32.75 16.5,34.5 18.55,34.5 19.074,33.976 C17.1@19.074,32.75 ; RJ45.2@17.89,25.925 14.575,25.925 13.6,26.9 13.6,29.4 16.95,32.75 C17.1@19.074,32.75 ; R19.2@23.25,27.5 23.25,27.85 23.3,27.9 23.3,29.45 R18.2@23.25,29.5 23.25,30.45 22.7,31 19.5,31 19.074,31.426 C17.1@19.074,32.75 ; U4.11@25.7,20.5 27,20.5 v1(27.5,20) ; U4.8@25.7,22 26.9,22 27.5,21.4 v1(27.5,20) ; U4.4@25.7,24 26.7,24 27,24.3 27,24.993 v1(26.993,25) ; C24.2@27.425,15.5 27.425,16.6 27.775,16.95 28.05,16.95 28.227,17.127 28.227,19.273 v1(27.5,20) ; U4.17@29.25,18.45 29.25,19.65 28.9,20 v1(27.5,20) ; U4.21@31.25,18.45 31.25,19.85 30.2,20.9 28.4,20.9 v1(27.5,20) ; 59.65,3.5 59.65,6.3 63,9.65 v1(63,14)
  BottomLayer w0.254: C32.1@3.75,24 5.25,24 5.5,23.75 L1.2@5.5,23.165 6.685,23.165 8.7,21.15 v1(10.1,21.15) ; v1(26.993,25) 26.993,24.993 26,24 24.9,24 23.9,25 20.8,25 19.875,25.925 RJ45.2@17.89,25.925 16.9,24.935 16.9,20 17.4,19.5 19.016,19.5 20.262,18.254 58.338,18.254 58.392,18.2 58.8,18.2 v1(63,14) ; v1@27,25 C21.2@29.25,25 29.075,24.825 C22.2@29.075,22.5 29.273,22.302 C23.1@29.273,20 v1(27.5,20)
TD+: "ANTS ROBOTICS.A13" R18.1 R23.1 RJ45.1 | length 84.9
  TopLayer w0.254: v1(11,24.7) 10.946,24.646 10.946,18.312 14.058,15.2 19.222,15.2 v1(19.25,15.172) ; RJ45.1@15.6,27.2 15.595,27.195 RJ45.1@15.35,27.195 15.35,28.95 15.9,29.5 R18.1@21.75,29.5
  BottomLayer w0.254: v1(11,24.7) 11,27.3 11.5,27.8 13.4,27.8 14,27.2 14.777,27.2 14.8,27.177 14.8,27 14.995,27.195 RJ45.1@15.35,27.195 R23.1@15.35,29.5 ; v1(19.25,15.172) 56.628,15.172 59.65,12.15 59.65,3.5
TD-: "ANTS ROBOTICS.A14" R19.1 R22.1 RJ45.3 | length 85.6
  TopLayer w0.254: v1(14.3,23.3) 12.5,23.3 11.4,22.2 11.4,18.5 13.9,16 19.189,16 v1(19.25,16.061) ; RJ45.3@15.35,24.655 18.355,24.655 19,25.3 19,26.2 17.8,27.4 17.8,28.3 18.4,28.9 19.4,28.9 20.8,27.5 R19.1@21.75,27.5
  BottomLayer w0.254: v1(14.3,23.3) 12.8,23.3 12.5,23.6 R22.1@12.5,24.625 12.53,24.655 RJ45.3@15.35,24.655 ; v1(19.25,16.061) 56.639,16.061 60.65,12.05 60.65,3.5
TX-LED: ESP32-TX.1 U1.10 | length 4.1
  TopLayer w0.254: U1.10@19.393,61.125 19.393,63.392 19.95,63.95 ESP32-TX.1@21,63.95
UART_DTR: Q2.2 R1.2 U1.1 | length 13.2
  TopLayer w0.254: U1.1@25.108,61.125 R1.2@28.35,61.125 ; v1(27.3,59.9) 28.35,60.95 R1.2@28.35,61.1 ; v1(27.9,56.8) 28.6,57.5 Q2.2@32.553,57.5
  BottomLayer w0.254: v1(27.3,59.9) 27.3,57.4 v1(27.9,56.8)
UART_RTS: Q1.2 R2.2 U1.2 | length 11.3
  TopLayer w0.254: U1.2@24.473,61.125 24.473,59.628 25.6,58.5 R2.2@28.35,58.5 28.35,59.55 28.6,59.8 31.2,59.8 31.5,60.1 Q1.2@32.553,60.1
USBC-DM: U1.12 USB-C.A7 USB-C.B7 | length 17.4
  TopLayer w0.254: USB-C.B7@5.675,53.925 5.625,53.925 5.6,53.9 5.669,53.9 6.494,53.075 USB-C.A7@7.025,53.075 18.775,53.075 20.028,54.328 U1.12@20.028,56.375
USBC-DP: U1.11 USB-C.A6 USB-C.B6 | length 16
  TopLayer w0.254: USB-C.A6@7.025,53.925 18.525,53.925 19.393,54.793 U1.11@19.393,56.375
  BottomLayer w0.254: USB-C.B6@5.675,53.075 6.525,53.925 USB-C.A6@7.025,53.925
W5500-CS: CS5.2 CS25.2 R28.1 U4.32 W5500_MODULE.5 | length 82.6
  TopLayer w0.254: v1(32.5,25) 32.5,24 33,23.5 U4.32@34.3,23.5 37,23.5 42.942,29.442 47.118,29.442 57.176,39.5 63.5,39.5 70.5,46.5 v1(70.5,48.5) ; v1(34.5,27.8) R28.1@34.5,29 ; CS5.2@63.3,63.5 CS25.2@63.3,65.5 66.8,65.5 69,63.3 69,54.85 W5500_MODULE.5@66.84,52.69
  BottomLayer w0.254: v1(32.5,25) 34.5,27 v1(34.5,27.8) ; W5500_MODULE.5@66.84,52.69 68,51.53 68,49 68.5,48.5 v1(70.5,48.5)
W5500-MISO: ESP32.31 U4.34 W5500_MODULE.7 | length 88
  TopLayer w0.254: U4.34@34.3,24.5 36.2,24.5 42.05,30.35 46.742,30.35 56.892,40.5 62,40.5 65,43.5 v1(65,49.5) ; ESP32.31@58.5,52.37 61.97,52.37 66.1,56.5 v1(67.5,56.5) ; v1(70,56.5) 70,54.1 73.95,50.15 87.05,50.15 87.1,50.2 87.15,50.15 W5500_MODULE.7@87.16,50.15
  BottomLayer w0.254: v1(65,49.5) 64.9,49.5 65,49.6 65,55.4 66.1,56.5 v1(67.5,56.5) v1(70,56.5)
W5500-MOSI: ESP32.37 U4.35 W5500_MODULE.3 | length 63
  TopLayer w0.254: U4.35@34.3,25 36,25 41.9,30.9 46.65,30.9 56.75,41 61.5,41 64,43.5 v1(64,48.5) ; ESP32.37@58.5,59.99 59.89,59.99 59.9,60 62.9,60 65.13,57.77 W5500_MODULE.3@66.84,57.77
  BottomLayer w0.254: v1(64,48.5) 64,56.5 65.27,57.77 W5500_MODULE.3@66.84,57.77
W5500-RST: ESP32.14 R29.1 U4.37 W5500_MODULE.8 | length 85.5
  TopLayer w0.254: R29.1@29.5,29 29.625,29 30.098,28.527 30.098,28.249 30.274,28.073 32.601,28.073 32.75,27.924 U4.37@32.75,27.05 34.8,27.05 36.5,28.75 36.5,36.45 41.5,41.45 ESP32.14@41.5,44.75 41.85,44.75 41.9,44.7 43.2,44.7 44.1,45.6 55.9,45.6 56.6,44.9 56.6,44.2 57.1,43.7 59.8,43.7 60.6,44.5 60.6,47.2 64.8,51.4 72,51.4 73.7,49.7 85.7,49.7 86.3,49.1 87.9,49.1 88.7,49.9 88.7,51.15 W5500_MODULE.8@87.16,52.69
W5500-SCK: ESP32.30 U4.33 W5500_MODULE.4 | length 64.6
  TopLayer w0.254: U4.33@34.3,24 36.7,24 42.596,29.896 46.93,29.896 57.034,40 63.4,40 69.5,46.1 69.5,49 v1(69,49.5) ; ESP32.30@58.5,51.1 61.8,51.1 65.93,55.23 W5500_MODULE.4@66.84,55.23
  BottomLayer w0.254: W5500_MODULE.4@66.84,55.23 69,53.07 v1(69,49.5)
XI: C29.2 R26.1 U4.30 Y2.1 | length 11.7
  TopLayer w0.254: U4.30@34.3,22.5 37.9,22.5 38.525,21.875 R26.1@39.75,21.875 39.75,20.85 39.9,20.7 Y2.1@42.5,20.7 C29.2@42.5,18.5
XO: C30.2 R26.2 U4.31 Y2.2 | length 11.7
  TopLayer w0.254: U4.31@34.3,23 38.2,23 38.825,23.625 R26.2@39.75,23.625 39.75,23.95 39.7,24 39.7,24.5 40,24.8 Y2.2@42.5,24.8 C30.2@42.5,27
pads on no net: BAT_CHRG_RELAY.4 ESP32.4 ESP32.5 ESP32.6 ESP32.7 ESP32.8 ESP32.9 ESP32.12 ESP32.17 ESP32.18 ESP32.19 ESP32.20 ESP32.21 ESP32.22 ESP32.24 ESP32.26 ESP32.32 RJ45.4 RJ45.MH1 RJ45.MH2 U1.5 U1.7 U1.8 U1.9 U1.18 U1.19 U3.5 U3.8 U3.9 U3.10 U4.7 U4.12 U4.13 U4.18 U4.24 U4.26 U4.46 U4.47 U8.11 U9.11 U10.11 USB-C.A8 USB-C.B8 W5500_MODULE.6 W5500_MODULE.9

## Polygon pours and split planes (outlines as drawn)
GND on TopLayer "GND_L01_P056" (solid, pour order 56): -0.05,4.45 -0.05,69 88.7,69 104.7,85 195,85 195,12.7 141,12.7 141,6.75 137.75,3.5 45.65,3.5 44.7,4.45
CHRG_GND on TopLayer "CHRG_GND_L01_P027" (solid, pour order 27): 66,3.5 66,9.5 71.75,9.5 71.75,6.7 71.25,6.7 71.25,3.5
EXTRA_GND on TopLayer "EXTRA_GND_L01_P028" (solid, pour order 28): 79,3.45 79,10.5 82.75,10.5 82.75,7.25 82.25,7.25 82.25,3.45
BAT_GND on TopLayer "BAT_GND_L01_P029" (solid, pour order 29): 85.15,3.45 85.15,10.5 96.15,10.5 96.15,3.45
PC_GND on TopLayer "PC_GND_L01_P030" (solid, pour order 30): 96.65,3.5 96.6,3.45 96.15,3.45 96.15,7.75 106.5,7.75 106.5,9.5 109.75,9.5 109.75,6.5 109.15,6.5 109.15,3.5
+24V_MOTOR on TopLayer "+24V_MOTOR_L01_P037" (solid, pour order 37): 112.25,15 112.25,6.75 112.25,3.5 129.35,3.5 129.35,8 129.1,8 129.1,15
+24V_MOTOR_RAW on TopLayer "+24V_MOTOR_RAW_L01_P039" (solid, pour order 39): 116,26 168,26 168,15 133,15 116,15
+5V_DIGITAL on TopLayer "+5V_DIGITAL_L01_P040" (solid, pour order 40): 48,13.5 48,9.5 49.05,8.45 49.05,3.5 51.2,3.5 51.2,8.45 52.15,9.4 52.15,13.5
+3V3_DIGITAL on TopLayer "+3V3_DIGITAL_L01_P041" (solid, pour order 41): 52.15,13.5 52.15,9.35 53.05,8.45 53.05,3.5 55.2,3.5 55.2,8.45 56.25,9.5 56.25,13.5
+24V_BAT_FUSE on TopLayer "+24V_BAT_FUSE_L01_P050" (solid, pour order 50): 86.25,18 86.25,28.75 90,32.5 90,50.5 99.75,50.5 99.75,32.25 93.75,26.25 93.75,18
+19V_PC_RAW on TopLayer "+19V_PC_RAW_L01_P052" (solid, pour order 52): 105,30.75 100.25,30.75 100.25,35.5 105,35.5
+19V_PC_NOFUSE on TopLayer "+19V_PC_NOFUSE_L01_P054" (solid, pour order 54): 99.5,30.75 99.5,20.5 108.5,20.5 108.5,25.8 105,29.3 105,30.75
GND on BottomLayer "GND_L02_P057" (solid, pour order 57): -0.05,4.45 -0.05,69 88.7,69 104.7,85 195,85 195,12.7 141,12.7 141,6.75 137.75,3.5 45.65,3.5 44.7,4.45
+12V_SPEAKER on BottomLayer "+12V_SPEAKER_L02_P048" (solid, pour order 48): 78,3.414 78,10.25 80.2,10.25 80.2,3.414
+24V_BAT_RAW on BottomLayer "+24V_BAT_RAW_L02_P044" (solid, pour order 44): 84.65,3.5 84.15,3.5 84.15,7.5 86.25,9.6 86.25,18 93.75,18 93.75,9.6 95.65,7.7 95.65,7.6 96.15,7.1 96.15,3.55
+5V_DIGITAL on BottomLayer "+5V_DIGITAL_L02_P034" (solid, pour order 34): 49.05,3.5 49.05,8.05 51.2,8.05 51.2,6.5 51.2,3.5
+3V3_DIGITAL on BottomLayer "+3V3_DIGITAL_L02_P035" (solid, pour order 35): 53.05,3.5 53.05,8.05 55.2,8.05 55.2,6.5 55.2,3.5
+24V_MOTOR on BottomLayer "+24V_MOTOR_L02_P038" (solid, pour order 38): 112.2,15 112.2,3.5 129.05,3.5 129.05,8 129.05,15
CHARGER_VCC on BottomLayer "CHARGER_VCC_L02_P042" (solid, pour order 42): 66.65,3.5 66.15,3.5 66.15,21.5 71.15,21.5 71.15,3.55
+19V_PC on BottomLayer "+19V_PC_L02_P045" (solid, pour order 45): 97.65,3.5 97.15,3.5 97.15,7.5 99.25,9.6 99.25,15.5 106.75,15.5 106.75,9.6 108.65,7.7 108.65,7.6 109.15,7.1 109.15,3.55
+12V_ROUTER on BottomLayer "+12V_ROUTER_L02_P049" (solid, pour order 49): 82.2,3.414 82.2,5.414 82.2,10.25 80.2,10.25 80.2,3.414
+24V_DIGITAL on BottomLayer "+24V_DIGITAL_L02_P051" (solid, pour order 51): 106.75,38.25 106.75,33.5 118.75,33.5 118.75,38.25 114,43 109,43 109,38.25
+19V_PC_RAW on BottomLayer "+19V_PC_RAW_L02_P053" (solid, pour order 53): 104.25,43 104.25,38.25 106.65,38.25 106.65,30.75 100,30.75 100,36 101.75,36 101.75,43

## Keep-outs
TopSolder:
  rectangle: 33.35,4.5 41.35,7.95
  region: 132.05,3.45 132.55,2.95 143.35,2.95 144.75,5.375 144.75,7.95 132.05,7.95
BottomSolder:
  rectangle: 33.35,4.5 41.35,7.95
  region: 132.05,3.45 132.55,2.95 143.35,2.95 144.75,5.375 144.75,7.95 132.05,7.95
KeepOutLayer:
  rectangle: 33.35,4.5 41.35,7.95
  region: 132.05,3.45 132.55,2.95 143.35,2.95 144.75,5.375 144.75,7.95 132.05,7.95
  lines w0.5: -0.05,69 -0.05,4.5 ccw(c0,4.5) 0,4.45 15,4.45 ccw(c15,4.5) 15.05,4.5 15.05,12.7 33.3,12.7 33.3,4.5 ccw(c33.35,4.5) 33.35,4.45 41.35,4.45 ccw(c41.35,4.5) 41.4,4.5 41.4,10.925 ; -0.05,69 88.7,69 104.7,84.999 195,85 195,12.7 140.8,12.7 ccw(c140.8,11) 139.1,11 139.1,9.7 ccw(c140.8,9.7) 140.8,8 144.75,8 cw(c144.75,7.95) 144.8,7.95 144.8,5.375 cw(c144.75,5.375) 144.794,5.35 143.394,2.925 cw(c143.35,2.95) 143.35,2.9 132.55,2.9 cw(c132.55,2.95) 132.514,2.915 ; 41.4,10.925 ccw(c41.35,10.925) 41.4,10.925 ; 41.4,10.925 ccw(c43.175,10.925) 41.4,10.925 ; 41.4,10.925 cw(c43.175,10.925) 44.95,10.925 ; 41.4,10.925 41.4,10.925 ; 41.4,10.925 41.4,10.925 ; 44.95,10.925 44.95,10.925 ; 44.95,10.925 44.95,0.5 ccw(c45,0.5) 44.965,0.464 45.464,-0.036 ; 45.464,-0.035 ccw(c45.5,0) 45.5,-0.05 55.7,-0.05 ccw(c55.7,0) 55.736,-0.035 55.736,-0.036 56.236,0.464 ; 45.464,-0.035 45.464,-0.036 ; 56.235,0.464 ccw(c56.2,0.5) 56.25,0.5 56.25,7.45 cw(c57.15,7.45) 58.05,7.45 58.05,0.5 ccw(c58.1,0.5) 58.065,0.464 ; 56.235,0.464 56.236,0.464 ; 58.064,0.464 58.065,0.464 ; 58.064,0.464 58.564,-0.036 ; 58.564,-0.035 ccw(c58.6,0) 58.6,-0.05 128.8,-0.05 ccw(c128.8,0) 128.836,-0.036 129.336,0.464 ; 58.564,-0.035 58.564,-0.036 ; 129.335,0.464 ccw(c129.3,0.5) 129.35,0.5 129.35,7.605 ; 129.335,0.464 129.336,0.464 ; 129.35,7.605 cw(c130.675,7.605) 130.675,8.93 ; 129.35,7.605 ccw(c129.3,7.605) 129.35,7.605 129.35,7.605 ; 130.675,8.93 cw(c130.675,7.605) 132,7.605 132,3.45 ccw(c132.05,3.45) 132.015,3.414 132.014,3.414 132.514,2.914 ; 130.675,8.93 130.675,8.93 ; 132.514,2.915 132.514,2.914

## Silkscreen, mask and mechanical layers (free items; w line width, h text height)
TopOverlay:
  text "POWER CONTROL UNIT (REV B1)" at 130.95,13.8 h3.5
PCI-SIG Outline:
  lines w0.1: 129.3,7.605 cw(c130.675,7.605) 132.05,7.605 ; 129.3,7.605 cw(c130.675,7.605) 132.05,7.605 ; 129.3,7.605 129.3,0.5 128.8,0 58.6,0 58.1,0.5 58.1,7.45 ccw(c57.15,7.45) 56.2,7.45 56.2,0.5 55.7,0 45.5,0 45,0.5 45,10.925 ccw(c43.175,10.925) 41.35,10.925 41.35,4.5 33.35,4.5 33.35,12.75 15,12.75 15,4.5 0,4.5 0,68.9 167.65,68.9 167.65,12.75 140.8,12.75 ccw(c140.8,11) 139.05,11 139.05,9.7 ccw(c140.8,9.7) 140.8,7.95 144.75,7.95 144.75,5.375 143.35,2.95 132.55,2.95 132.05,3.45 132.05,7.605
PCI-SIG Notes:
  text "- Nominal values used, dimensions in mm" at 175.5,42.584 h1.52
  text "- The mounting holes and keep-out areas around them are only required when the I/O bracket is mounted on the card directly" at 175.5,40.806 h1.52
  text "- Component height rule and clearance rule derived from PCI_Express_CEM_r2.0.pdf, Page 84." at 175.5,39.028 h1.52
  text "- Stackup is not specified in PCI_Express_CEM_r2.0.pdf, nor implemented in this template." at 175.5,37.25 h1.52

## Dimensions
0,0 to 0,68.9 on PCI-SIG Dimensions
0,68.9 to 167.65,68.9 on PCI-SIG Dimensions

## Text inside footprints (layer, text, board x,y; h text height)
W5500_MODULE: TopOverlay "GND" at 80.2,62 h1.52; TopOverlay "3V3" at 80.2,59.46 h1.52; TopOverlay "3V3" at 80.2,57 h1.52; TopOverlay "NC" at 80.4,54.35 h1.52; TopOverlay "RST" at 80.4,51.9 h1.52; TopOverlay "MISO" at 80.4,49.4 h1.52; TopOverlay "INT" at 69.7,49.45 h1.52; TopOverlay "CS" at 69.7,51.99 h1.52; TopOverlay "SCLK" at 68.2,54.55 h1.52; TopOverlay "MOSI" at 68.6,57.05 h1.52; TopOverlay "GND" at 69.7,59.61 h1.52; TopOverlay "GND" at 69.7,62.15 h1.52; TopOverlay "BOARD EDGE" at 69.95,66.95 h1.52